# Altium PCB OSA_V100.PcbDoc (part 4 of 5)
Units mm, origin at the board's own origin, x right, y up, seen from the top; angles counter-clockwise.
Board outline 82 x 80 mm, 6 copper layers ([L1] TOP, [L2] GND_1, [L3] SIGNAL, [L4] POWER, [L5] GND_2, [L6] BOTTOM), stack 1.608 mm thick; 297 components, 180 nets, 1222 pads, 1522 vias.
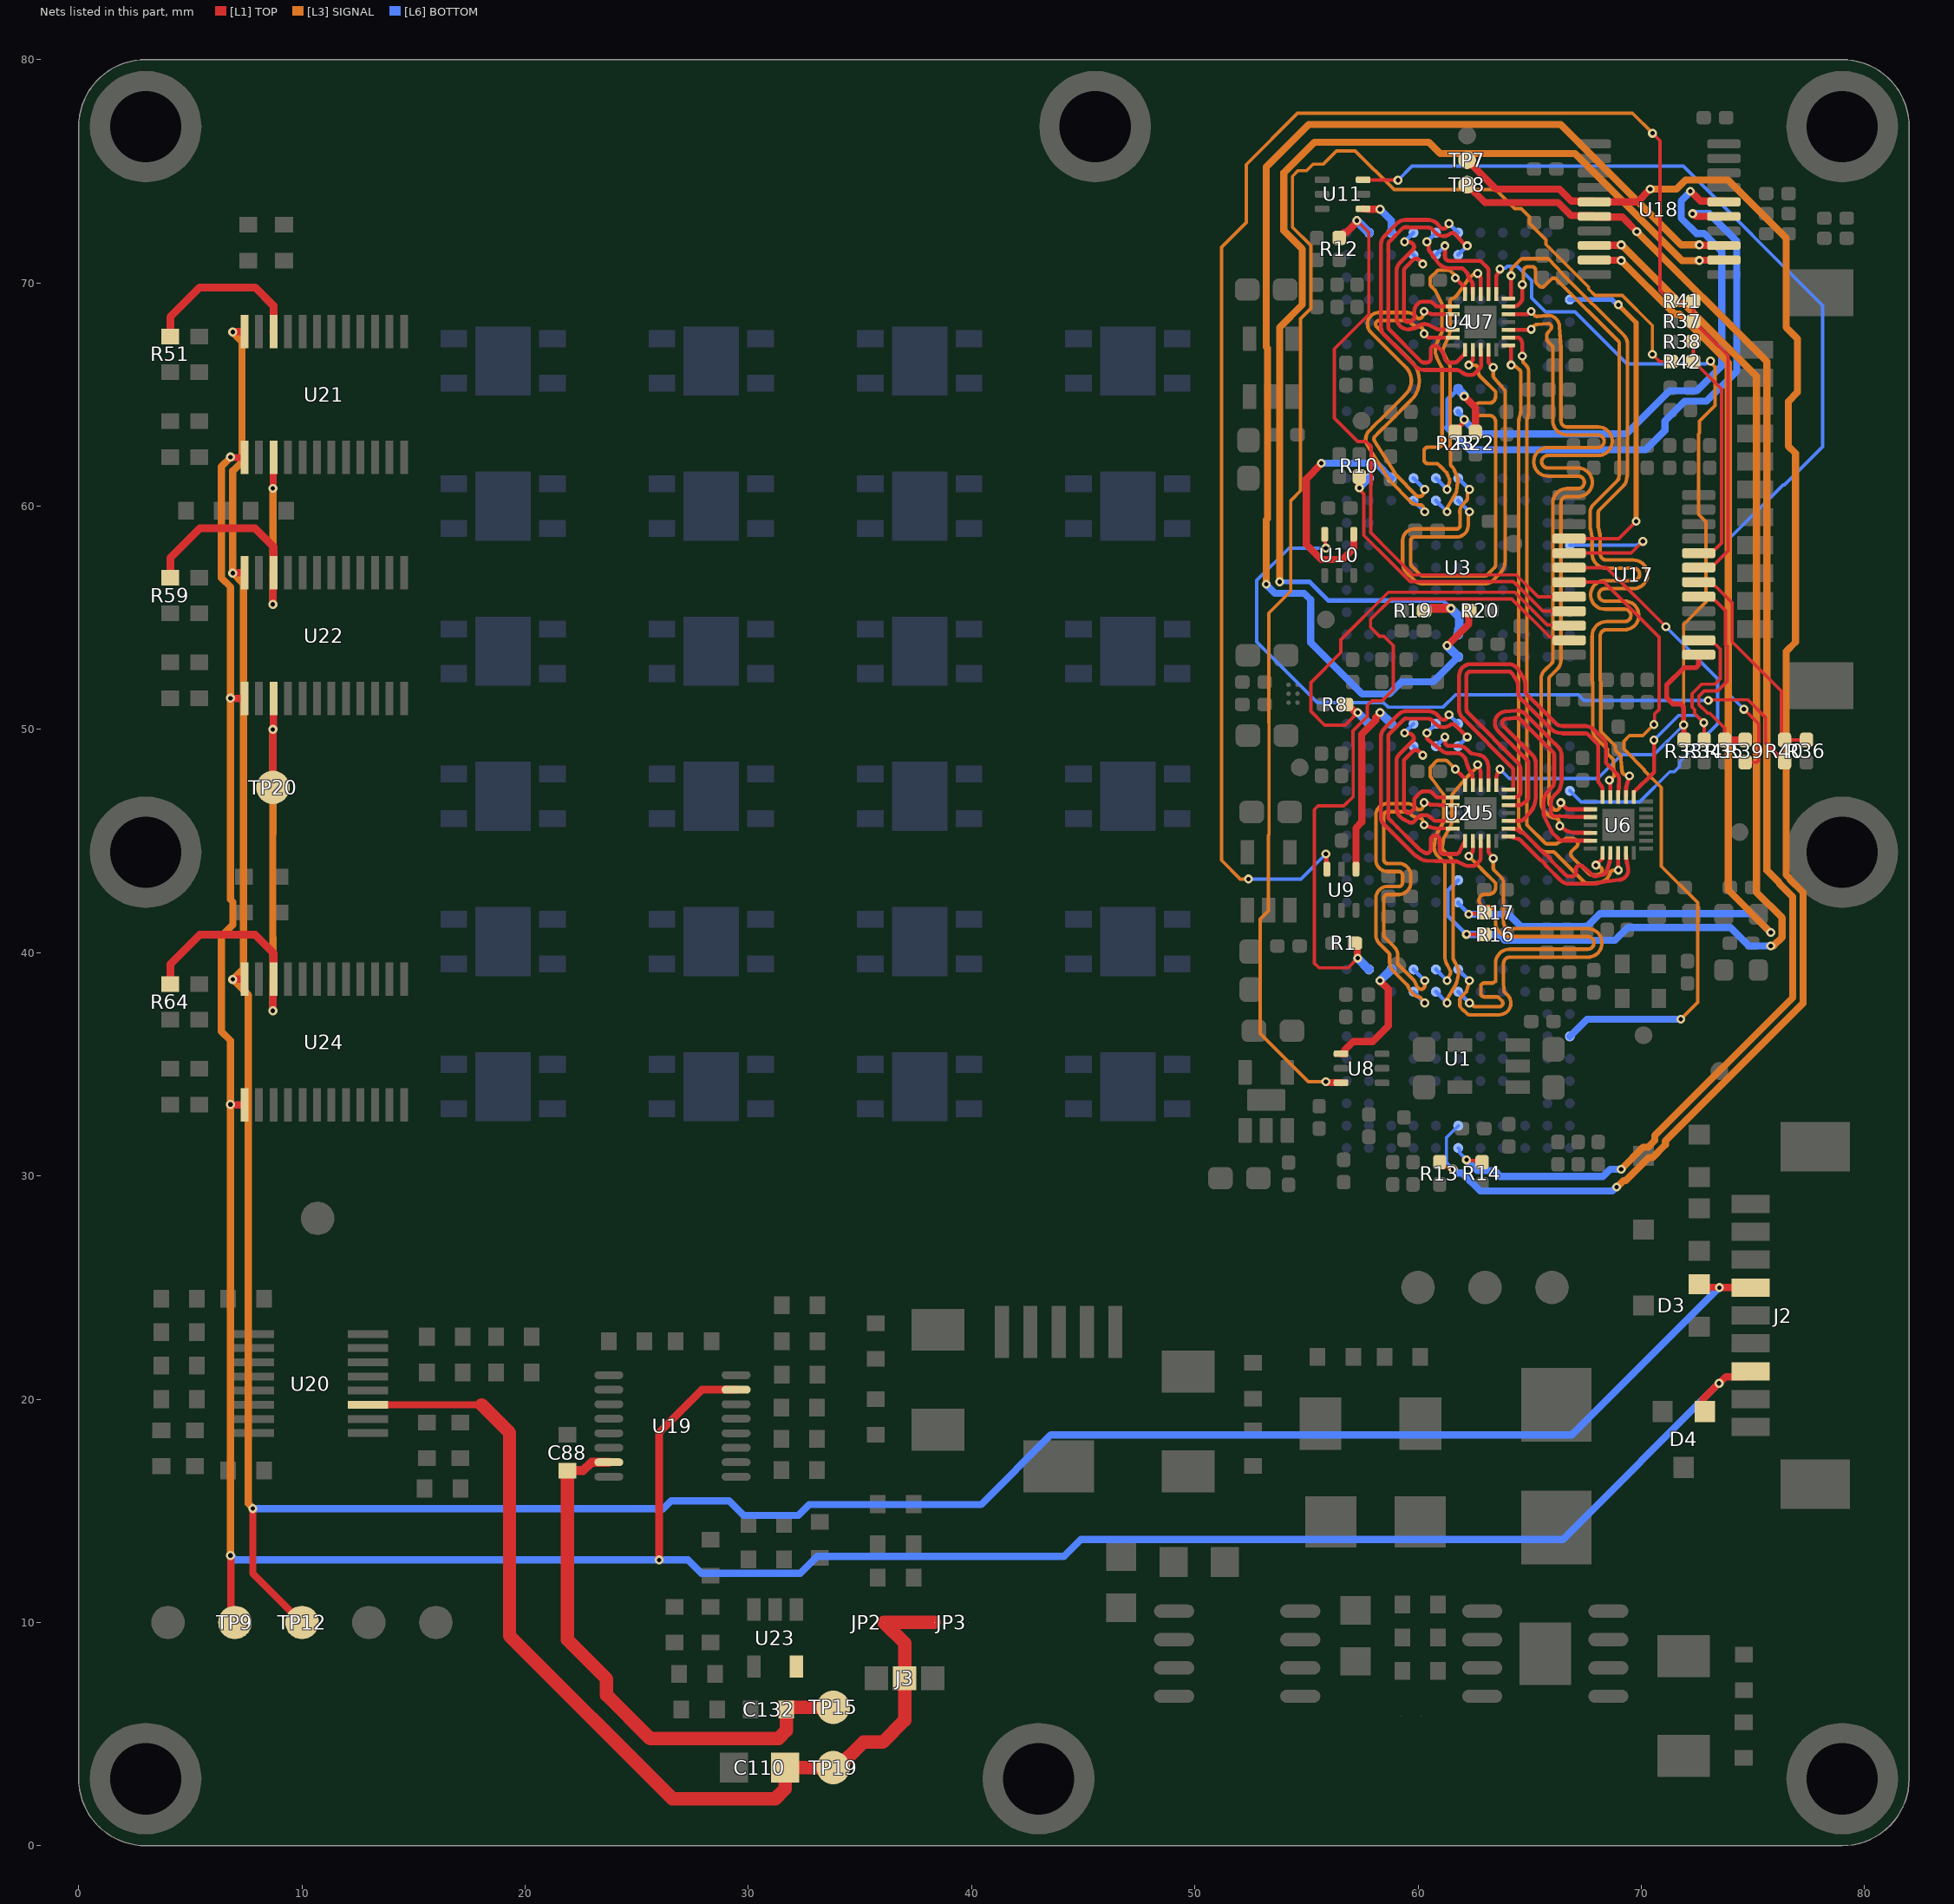
[diagram p8: the nets of this part, all layers, seen from the top]

## Via types
v1: diameter 0.4, hole 0.2, [L1] TOP to [L6] BOTTOM, tented both sides, 1522 vias

## Nets (pads, with @x,y where several pads share a name; then routed paths per layer and width w, separated by ;. In a path a pad name is that pad's centre, name@x,y a point inside that pad or via, vN(x,y) a via of type N, cw(c..) or ccw(c..) an arc to the next point about the centre after c; other vN are vias at no path point) (continued)
SCK_PD: D4.1 J2.3 TP9.1 U19.15 U21.1 U22.1 U24.1 | length 138.7
  [L1] TOP w0.32: v1(6.8,13) 6.815,12.985 6.815,10.185 TP9.1@7,10 ; v1@6.8,33.181 U24.1@7.425,33.181 ; v1@6.8,51.381 U22.1@7.425,51.381 ; v1(6.8,62.2) 6.8,62.181 U21.1@7.425,62.181 ; D4.1@72.85,19.45 72.75,19.55 72.75,19.975 v1(73.487,20.712) 73.509,20.712 73.8,21.004 74.649,21.004 J2.3@74.895,21.25
  [L1] TOP w0.35: v1(26,12.8) 26,18.5 27.925,20.425 U19.15@29.45,20.425
  [L3] SIGNAL w0.32: v1(6.8,13) 6.8,36.068 6.39,36.478 6.39,40.726 6.91,41.246 6.91,42.268 6.8,42.378 6.8,56.379 6.39,56.789 6.39,61.768 6.8,62.178 v1(6.8,62.2)
  [L6] BOTTOM w0.32: v1(6.8,13) 6.822,13 7.022,12.8 v1(26,12.8) 27.3,12.8 27.9,12.2 32.325,12.2 33.087,12.962 44.141,12.962 44.894,13.715 66.49,13.715 v1(73.487,20.712)
  other v1: 6.8,33.2 6.8,51.4
SDO_1: R64.1 TP20.1 U22.3 U24.22 | length 25.6
  [L1] TOP w0.32: v1(8.7,37.4) U24.22@8.7,38.819 ; TP20.1@8.7,47.4 v1(8.7,50) ; v1@8.725,50 U22.3@8.725,51.381
  [L1] TOP w0.35: R64.1@4.1,38.6 4.1,39.478 5.422,40.8 7.9,40.8 8.725,39.975 U24.22@8.725,38.819
  [L3] SIGNAL w0.32: v1(8.7,37.4) 8.7,40.679 8.69,40.689 8.69,45.321 8.7,45.331 v1(8.7,50)
SDO_2: R59.1 U21.3 U22.22 | length 15.6
  [L1] TOP w0.32: v1(8.7,55.6) U22.22@8.7,57.019 ; v1(8.7,60.8) 8.712,60.812 8.712,62.168 U21.3@8.725,62.181
  [L1] TOP w0.35: R59.1@4.1,56.8 4.1,57.678 5.422,59 7.9,59 8.725,58.175 U22.22@8.725,57.019
  [L3] SIGNAL w0.32: v1(8.7,55.6) v1(8.7,60.8)
SDO_3: R51.1 U21.22 | length 7.6
  [L1] TOP w0.32: U21.22@8.7,67.819 U21.22@8.725,67.819
  [L1] TOP w0.35: R51.1@4.1,67.6 4.1,68.478 5.422,69.8 7.9,69.8 8.725,68.975 U21.22@8.725,67.819
SEN0_1_CK_N: U5.7 U6.2 | length 6.7
  [L1] TOP w0.18: U5.7@64.05,45.55 64.371,45.528 ; 64.371,45.528 cw(c64.355,45.289) 64.56,45.413 64.581,45.408 cw(c64.458,44.913) 64.819,45.273 65.64,44.452 ccw(c65.767,44.58) 65.677,44.424 cw(c65.302,43.752) 65.973,44.129 ccw(c66.13,44.217) 66.003,44.089 66.619,43.473 ; 66.62,43.472 ccw(c66.746,43.601) 66.673,43.436 ccw(c66.748,43.6) 66.747,43.42 66.891,43.42 ccw(c66.89,43.6) 67.07,43.6 67.07,43.731 cw(c67.25,43.731) 67.37,43.865 67.677,43.591 ccw(c67.97,43.92) 67.684,43.585 67.824,43.466 ccw(c67.94,43.604) 67.981,43.429 68.311,43.506 ; 68.311,43.507 ccw(c68.269,43.682) 68.441,43.627 68.588,44.093 ccw(c68.359,44.165) 68.596,44.126 ccw(c68.359,44.165) 68.598,44.149 68.619,44.462 cw(c68.799,44.45) U6.2@68.62,44.47
SEN0_1_CK_P: U5.6 U6.4 | length 7.2
  [L1] TOP w0.18: U5.6@64.05,45.2 64.245,45.151 64.502,45.087 cw(c64.458,44.913) 64.585,45.04 65.408,44.218 ccw(c65.767,44.58) 65.516,44.136 cw(c65.302,43.752) 65.685,43.967 ccw(c66.13,44.217) 65.77,43.856 66.386,43.239 ccw(c66.747,43.6) 66.747,43.09 66.89,43.09 ccw(c66.89,43.27) 66.892,43.09 67.942,43.094 ccw(c67.94,43.604) 68.055,43.107 68.057,43.108 68.386,43.185 ; 68.387,43.185 cw(c68.427,43.01) 68.407,43.189 69.019,43.258 ccw(c68.97,43.695) 69.404,43.766 69.344,44.126 cw(c69.581,44.165) 69.342,44.149 U6.4@69.32,44.47
SEN0_1_D0_N: U5.10 U6.20 | length 13.8
  [L1] TOP w0.18: U5.10@64.05,46.6 64.451,46.6 ccw(c64.451,47.08) 64.629,46.634 ccw(c64.561,46.801) 64.664,46.653 64.831,46.768 ccw(c64.728,46.916) 64.855,46.789 64.888,46.821 ccw(c64.76,46.948) 64.94,46.948 64.94,47.11 64.94,48.5 ccw(c64.76,48.5) 64.888,48.627 63.591,49.933 cw(c63.952,50.293) 63.904,50.801 64.378,50.847 64.38,50.847 cw(c64.427,50.339) 64.75,50.734 64.777,50.712 cw(c64.663,50.572) 64.788,50.702 64.789,50.701 65.851,49.639 65.853,49.636 ccw(c65.99,49.754) 65.862,49.627 66.278,49.212 cw(c65.918,48.851) 66.428,48.851 66.428,47.713 ccw(c66.608,47.713) 66.441,47.646 66.387,47.433 cw(c65.892,47.558) 66.258,47.202 cw(c66.021,47.431) 66.254,47.198 66.151,47.095 cw(c65.918,47.328) 66.15,47.094 66.084,47.028 ccw(c66.396,46.717) 65.956,46.717 65.956,46.626 65.956,46.282 ccw(c66.136,46.282) 66.148,46.103 66.321,46.115 cw(c66.351,45.676) 66.384,46.114 ; 66.384,46.114 66.386,46.114 ; 66.387,46.114 66.733,46.091 ccw(c66.767,46.6) 66.757,46.09 U6.20@67.72,46.07
SEN0_1_D0_P: U5.8 U6.23 | length 14.5
  [L1] TOP w0.18: U5.8@64.05,45.9 64.575,45.9 ccw(c64.575,46.08) 64.702,45.952 64.967,46.217 ccw(c64.231,46.95) 65.27,46.946 65.27,48.5 ccw(c64.76,48.5) 65.122,48.86 63.825,50.165 cw(c63.952,50.293) 63.934,50.472 64.41,50.518 ; 64.411,50.518 cw(c64.427,50.339) 64.554,50.466 65.617,49.405 65.629,49.393 66.044,48.979 cw(c65.918,48.851) 66.098,48.851 66.098,47.713 66.098,47.646 66.098,47.636 66.067,47.514 cw(c65.892,47.558) 66.021,47.431 65.918,47.328 ccw(c66.151,47.095) 65.917,47.327 65.851,47.262 ccw(c66.396,46.717) 65.626,46.717 65.626,46.626 65.626,46.282 65.626,46.281 ccw(c66.136,46.282) 65.676,46.061 65.962,45.468 65.987,45.417 ccw(c66.149,45.496) 66.021,45.369 66.317,45.073 ccw(c66.445,45.2) 66.445,45.02 U6.23@67.72,45.02
SEN0_1_D1_N: U5.12 U6.15 | length 17.6
  [L1] TOP w0.18: U5.12@64.05,47.3 64.264,47.3 64.265,47.301 64.265,48.036 64.265,48.173 ccw(c64.085,48.173) 64.212,48.3 62.086,50.426 cw(c62.319,50.66) 62.085,50.427 61.989,50.523 cw(c62.35,50.883) 61.84,50.883 61.84,52.41 cw(c62.35,52.41) 62.35,52.92 62.68,52.92 64.059,52.92 64.06,52.92 cw(c64.057,52.41) 64.464,52.718 64.481,52.696 cw(c64.337,52.587) 64.49,52.683 64.722,52.313 cw(c64.29,52.042) 64.8,52.044 cw(c64.47,52.042) 64.8,52.042 64.8,51.731 ccw(c64.98,51.731) 64.853,51.604 66.232,50.225 ccw(c66.359,50.352) 66.334,50.174 66.495,50.152 ccw(c66.52,50.33) 66.518,50.15 67.495,50.15 cw(c67.495,49.64) 67.856,50.001 67.953,49.904 68.323,49.534 cw(c68.086,49.297) 68.421,49.298 68.421,48.566 ccw(c68.601,48.566) 68.473,48.439 68.57,48.342 68.918,47.995 cw(c68.79,47.868) 68.956,47.937 68.976,47.89 cw(c68.57,47.72) 69.009,47.694 cw(c68.57,47.72) 69.009,47.692 68.992,47.429 ccw(c69.501,47.397) 68.992,47.421 U6.15@68.97,46.97
SEN0_1_D1_P: U5.11 U6.17 | length 16.9
  [L1] TOP w0.18: U5.11@64.05,46.95 64.371,46.972 ccw(c64.355,47.211) 64.595,47.211 64.595,48.036 ccw(c64.265,48.036) 64.595,48.038 64.595,48.173 ccw(c64.085,48.173) 64.445,48.534 62.319,50.66 62.223,50.756 cw(c62.35,50.883) 62.17,50.883 62.17,52.41 cw(c62.35,52.41) 62.35,52.59 62.68,52.59 64.059,52.59 64.06,52.59 cw(c64.057,52.41) 64.21,52.506 64.442,52.138 cw(c64.29,52.042) 64.47,52.042 64.47,51.731 ccw(c64.98,51.731) 64.619,51.371 65.998,49.992 ccw(c66.359,50.352) 66.288,49.847 66.449,49.825 ccw(c66.52,50.33) 66.51,49.82 ccw(c66.518,50.15) 66.518,49.82 67.495,49.82 cw(c67.495,49.64) 67.623,49.767 67.718,49.672 ccw(c67.953,49.904) 67.719,49.671 67.921,49.469 68.018,49.372 cw(c67.89,49.245) 68.07,49.245 68.07,47.714 ccw(c68.25,47.714) 68.107,47.604 68.187,47.501 cw(c68.045,47.391) 68.197,47.487 ccw(c68.57,47.72) 68.229,47.442 cw(c68.089,47.329) 68.269,47.33 68.269,46.989 ccw(c68.449,46.99) U6.17@68.27,46.97
SEN0_CK_N: U1.B6 U5.2 | length 20.7
  [L1] TOP w0.18: v1(62.27,44.32) 62.398,44.448 ccw(c62.27,44.575) 62.45,44.575 U5.2@62.45,45 ; v1(62.302,37.748) v1@62.35,37.748
  [L3] SIGNAL w0.16: v1@62.258,37.794 62.301,37.794 62.515,37.58 63.639,37.58 ccw(c63.639,37.74) 63.753,37.853 63.633,37.973 ; v1@62.274,44.32 62.824,43.771 62.865,43.729 62.865,43.725 63.47,43.12 63.47,42.9 cw(c63.19,42.9) 63.19,42.62 63.008,42.62 ccw(c63.008,42.34) 63.008,42.06 63.19,42.06 cw(c63.19,41.78) 63.47,41.78 63.47,41.7 63.47,41.617 63.47,41.357 ccw(c64.11,41.357) 64.11,40.717 67.603,40.717 cw(c67.603,40.437) 67.603,40.157 64.11,40.157 ccw(c64.11,39.517) 63.47,39.517 63.47,38.702 63.382,38.658 cw(c63.31,38.801) 63.31,38.641 62.97,38.641 ccw(c62.97,38.481) 62.81,38.481 62.81,38.18 ccw(c62.97,38.18) 62.969,38.02 63.329,38.02 63.52,38.019 cw(c63.52,37.859) 63.632,37.974
  [L6] BOTTOM w0.18: U1.B6@61.8,38.25 v1(62.302,37.748)
SEN0_CK_P: U1.A6 U5.4 | length 20.4
  [L1] TOP w0.18: v1(62.302,38.748) v1@62.302,38.75 ; U5.4@63.15,45 cw(c62.971,44.98) 63.151,44.98 63.151,44.573 ccw(c63.331,44.573) 63.187,44.465 v1(63.37,44.22)
  [L3] SIGNAL w0.16: v1(62.302,38.748) 62.181,38.293 cw(c62.026,38.334) 62.139,38.221 61.918,38 ccw(c62.032,37.887) 61.872,37.887 61.872,37.657 ccw(c62.032,37.657) 61.905,37.56 61.96,37.487 ccw(c62.302,37.748) 62.071,37.386 cw(c61.986,37.25) 62.099,37.364 62.195,37.267 ccw(c62.308,37.38) 62.308,37.22 63.072,37.22 63.639,37.22 ccw(c63.639,37.74) 64.008,38.107 63.889,38.226 cw(c64.002,38.339) 63.842,38.334 63.83,38.697 cw(c63.99,38.702) 63.83,38.702 63.83,39.517 cw(c64.11,39.517) 64.11,39.797 67.603,39.797 ccw(c67.603,40.437) 67.603,41.077 64.11,41.077 cw(c64.11,41.357) 63.83,41.357 63.83,41.617 63.83,43.143 ccw(c63.67,43.142) 63.826,43.177 63.821,43.199 ccw(c63.47,43.12) 63.724,43.375 63.417,43.682 cw(c63.53,43.795) 63.37,43.795 v1(63.37,44.22)
  [L6] BOTTOM w0.18: U1.A6@61.8,39.25 v1(62.302,38.748)
SEN0_D0_N: U1.B8 U5.20 | length 16
  [L1] TOP w0.18: v1(60.27,46.72) 60.312,46.678 60.486,46.678 60.544,46.62 60.914,46.62 60.934,46.6 U5.20@61.55,46.6 ; v1(60.302,37.748) v1@60.302,37.78
  [L3] SIGNAL w0.16: 58.261,40.42 58.682,39.999 cw(c58.568,39.886) 58.728,39.886 58.728,39.559 ccw(c59.248,39.561) 58.88,39.194 59.514,38.56 cw(c59.401,38.447) 59.552,38.498 59.554,38.493 ccw(c60.302,38.748) 59.714,38.22 59.755,38.174 ccw(c60.142,38.523) 60.042,38.012 ; 58.261,40.42 cw(c58.63,40.786) 58.11,40.784 58.11,41.795 58.11,42.438 cw(c58.637,42.438) 58.637,42.965 59.142,42.965 ccw(c59.142,43.132) 59.309,43.132 59.309,43.466 ccw(c59.142,43.466) 59.142,43.633 58.637,43.633 cw(c58.637,44.16) 58.11,44.16 58.11,44.42 58.11,46.155 cw(c58.63,46.154) 58.63,46.674 59.507,46.674 cw(c59.507,46.154) 59.922,46.467 59.925,46.464 ccw(c60.053,46.56) 60.052,46.4 ; 60.043,38.012 cw(c60.012,37.855) 60.137,37.955 60.22,37.851 v1(60.302,37.748) v1@60.212,37.845 ; 60.053,46.4 ccw(c60.053,46.56) 60.205,46.512 v1(60.27,46.72)
  [L6] BOTTOM w0.18: U1.B8@59.8,38.25 v1(60.302,37.748)
SEN0_D0_P: U1.A8 U5.23 | length 15
  [L1] TOP w0.18: v1(60.27,45.72) 60.645,45.597 ccw(c60.804,46.081) 60.79,45.571 U5.23@61.55,45.55 ; v1(60.302,38.748) v1@60.302,38.778
  [L3] SIGNAL w0.16: 60.051,46.04 cw(c60.053,46.4) 60.05,46.04 cw(c60.053,46.56) 59.637,46.247 59.635,46.251 ccw(c59.507,46.154) 59.507,46.314 58.63,46.314 ccw(c58.63,46.154) 58.47,46.155 58.47,44.42 58.47,44.16 ccw(c58.637,44.16) 58.637,43.993 59.142,43.993 cw(c59.142,43.466) 59.669,43.466 59.669,43.132 cw(c59.142,43.132) 59.142,42.605 58.637,42.605 ccw(c58.637,42.438) 58.47,42.438 58.47,41.795 58.47,40.785 ccw(c58.63,40.786) 58.516,40.674 58.935,40.255 cw(c58.568,39.886) 59.088,39.886 59.088,39.56 ccw(c59.248,39.561) 59.135,39.448 59.767,38.816 cw(c59.401,38.447) 59.893,38.615 59.895,38.609 ccw(c60.302,38.748) 59.982,38.461 60.023,38.416 ccw(c60.142,38.523) 60.111,38.366 ccw(c60.142,38.523) 60.302,38.523 v1(60.302,38.748) ; 60.053,46.04 cw(c60.053,45.88) 60.205,45.928 v1(60.27,45.72)
  [L6] BOTTOM w0.18: U1.A8@59.8,39.25 v1(60.302,38.748)
SEN0_D1_N: U1.B7 U5.15 | length 13.2
  [L1] TOP w0.18: v1(61.302,37.748) v1@61.302,37.755 ; v1(62.67,48.42) 62.757,48.237 cw(c62.356,48.047) 62.8,48.047 U5.15@62.8,47.5
  [L3] SIGNAL w0.16: v1@61.209,37.845 61.332,37.968 ; 61.333,37.969 ccw(c61.219,38.081) 61.356,37.999 61.671,38.529 ; 61.671,38.529 ccw(c61.302,38.748) 61.72,38.648 61.805,39.002 ccw(c61.3,39.124) 61.76,39.365 ; 61.76,39.366 61.63,39.611 61.588,39.69 cw(c61.73,39.765) 61.57,39.765 61.57,43.941 ccw(c61.05,43.941) 61.418,44.309 61.128,44.599 cw(c61.241,44.712) 61.083,44.738 61.137,45.058 cw(c61.561,44.989) 61.187,45.202 61.401,45.577 61.45,45.662 ccw(c60.997,45.918) 61.517,45.918 61.517,47.01 cw(c61.677,47.01) 61.554,47.112 62.087,47.754 62.097,47.767 cw(c62.22,47.664) 62.107,47.777 62.623,48.293 ccw(c62.51,48.407) 62.67,48.407 v1(62.67,48.42)
  [L6] BOTTOM w0.18: U1.B7@60.8,38.25 v1(61.302,37.748)
SEN0_D1_P: U1.A7 U5.17 | length 13.1
  [L1] TOP w0.18: v1(61.302,38.748) v1@61.302,38.755 ; v1(61.67,48.22) 62.048,47.842 cw(c61.92,47.715) 62.1,47.715 U5.17@62.1,47.5
  [L3] SIGNAL w0.16: v1(61.302,38.748) 61.445,39.057 ccw(c61.3,39.124) 61.442,39.197 ; 61.312,39.442 61.442,39.198 ; 61.312,39.443 61.27,39.522 cw(c61.73,39.765) 61.21,39.765 61.21,43.941 ccw(c61.05,43.941) 61.163,44.054 60.873,44.344 cw(c61.241,44.712) 60.728,44.798 60.782,45.118 cw(c61.137,45.058) 60.782,45.12 cw(c61.561,44.989) 60.875,45.38 61.089,45.756 61.136,45.839 ccw(c60.997,45.918) 61.157,45.918 61.157,47.01 ccw(c60.997,47.01) 61.126,47.105 60.64,47.767 60.567,47.867 cw(c60.696,47.961) 60.536,47.961 60.536,48.22 cw(c60.696,48.22) 60.583,48.333 60.823,48.573 cw(c60.936,48.46) 60.936,48.62 61.204,48.62 cw(c61.204,48.46) 61.317,48.573 v1(61.67,48.22)
  [L6] BOTTOM w0.18: U1.A7@60.8,39.25 v1(61.302,38.748)
SEN1_CK_N: U2.B6 U5.1 | length 14.2
  [L1] TOP w0.18: 60.97,45.061 60.97,44.6 ccw(c61.15,44.6) 61.15,44.42 61.695,44.42 ccw(c61.695,44.6) 61.856,44.518 U5.1@62.1,45 ; 60.97,45.061 ccw(c60.79,45.06) 60.791,45.24 60.751,45.24 ccw(c60.75,45.06) 60.57,45.061 60.568,44.634 cw(c60.388,44.634) 60.292,44.482 60.077,44.619 cw(c60.173,44.771) 60.047,44.643 59.719,44.971 59.067,45.623 58.67,46.02 58.67,49.679 cw(c58.85,49.679) 58.723,49.806 59.354,50.437 cw(c59.481,50.31) 59.481,50.49 cw(c59.481,50.31) 59.485,50.49 60.5,50.47 cw(c60.496,50.29) 60.631,50.409 60.749,50.273 ccw(c61.134,50.608) 61.439,50.198 ; 61.44,50.199 ccw(c61.134,50.608) 61.441,50.2 cw(c61.549,50.056) 61.676,50.184 v1(62.205,49.66)
  [L6] BOTTOM w0.18: U2.B6@61.8,49.252 62.205,49.657 v1(62.205,49.66)
SEN1_CK_P: U2.A6 U5.3 | length 14.3
  [L1] TOP w0.18: 60.491,50.82 59.481,50.82 ccw(c59.481,50.31) 59.121,50.671 58.489,50.039 ccw(c58.85,49.679) 58.34,49.679 58.34,49.542 58.34,46.02 ccw(c58.67,46.02) 58.436,45.787 59.485,44.738 59.814,44.41 ccw(c60.173,44.771) 59.9,44.341 60.116,44.203 ccw(c60.388,44.634) 60.366,44.125 61.127,44.091 ccw(c61.15,44.6) 61.15,44.09 61.695,44.09 cw(c61.695,43.91) 61.774,44.072 62.078,43.924 ccw(c62.27,44.32) 62.27,43.88 62.455,43.88 ccw(c62.455,44.06) 62.582,43.932 62.748,44.098 ccw(c62.62,44.225) 62.8,44.225 U5.3@62.8,45 ; 60.491,50.82 cw(c60.491,50.64) 60.549,50.81 60.66,50.773 cw(c60.496,50.29) 60.88,50.626 60.881,50.625 60.998,50.49 ccw(c61.134,50.608) 61.242,50.464 ccw(c61.134,50.608) 61.281,50.503 v1(61.39,50.655)
  [L6] BOTTOM w0.18: v1(61.39,50.655) 61.393,50.655 U2.A6@61.8,50.25
SEN1_D0_N: U2.B8 U5.19 | length 6.9
  [L1] TOP w0.18: 59.39,46.409 59.372,46.522 cw(c59.55,46.55) 59.37,46.549 59.37,48.62 59.776,49.026 cw(c59.902,48.898) 60.029,49.026 v1(60.21,48.845) ; 59.39,46.409 ccw(c59.568,46.438) 59.694,46.309 59.83,46.443 59.83,46.824 cw(c60.02,46.823) 59.886,46.958 60.095,47.168 cw(c60.222,47.04) 60.222,47.22 60.495,47.22 cw(c60.495,47.04) 60.622,47.168 60.788,47.002 ccw(c60.915,47.13) 60.915,46.95 U5.19@61.55,46.95
  [L6] BOTTOM w0.18: U2.B8@59.805,49.25 v1(60.21,48.845)
SEN1_D0_P: U2.A8 U5.22 | length 7.6
  [L1] TOP w0.18: v1(59.395,49.84) 59.62,49.814 cw(c59.6,49.635) 59.727,49.763 59.76,49.73 cw(c59.632,49.603) 59.759,49.476 59.136,48.853 ccw(c59.37,48.62) 59.04,48.62 59.04,46.548 ccw(c59.55,46.55) 59.046,46.47 59.064,46.358 ccw(c59.568,46.438) 59.333,45.985 59.613,45.84 ccw(c59.695,46) 59.695,45.82 ccw(c59.695,46) 59.822,45.872 59.873,45.923 ccw(c59.745,46.049) 59.897,45.953 cw(c60.27,45.72) 60.009,46.074 60.078,46.125 cw(c60.185,45.98) 60.185,46.16 60.355,46.16 cw(c60.355,45.98) 60.462,46.125 60.531,46.074 cw(c60.27,45.72) 60.554,46.056 60.689,45.943 ccw(c60.804,46.081) 60.804,45.901 U5.22@61.55,45.9
  [L6] BOTTOM w0.18: v1(59.395,49.84) 59.395,49.843 U2.A8@59.8,50.248
SEN1_D1_N: U2.B7 U5.14 | length 4.1
  [L1] TOP w0.18: v1(61.205,49.66) 61.21,49.437 ccw(c61.389,49.44) 61.389,49.26 61.818,49.26 cw(c61.818,48.75) 62.179,49.111 62.317,48.973 ccw(c62.444,49.1) 62.407,48.924 62.76,48.851 cw(c62.67,48.42) 62.98,48.733 62.983,48.73 62.984,48.729 cw(c62.582,48.327) 63.15,48.327 U5.14@63.15,47.5
  [L6] BOTTOM w0.18: U2.B7@60.8,49.252 61.205,49.657 v1(61.205,49.66)
SEN1_D1_P: U2.A7 U5.16 | length 4.1
  [L1] TOP w0.18: v1@60.393,49.838 60.393,49.672 ccw(c60.573,49.672) 60.445,49.545 60.446,49.544 ccw(c60.573,49.672) 60.46,49.532 61.071,49.042 ccw(c61.389,49.44) 61.387,48.93 61.389,48.93 61.818,48.93 cw(c61.818,48.75) 61.946,48.878 62.084,48.739 ; 62.085,48.739 cw(c61.956,48.613) 62.127,48.669 62.245,48.303 62.251,48.284 ccw(c62.67,48.42) 62.366,48.102 cw(c62.24,47.973) 62.41,48.034 cw(c61.775,47.808) 62.449,47.808 U5.16@62.45,47.5
  [L6] BOTTOM w0.18: v1(60.395,49.84) 60.395,49.843 U2.A7@60.8,50.248
SEN2_3_CK_N: U6.1 U7.7 | length 28.8
  [L1] TOP w0.18: U7.7@64.05,67.55 64.454,67.55 cw(c64.454,67.37) 64.608,67.462 cw(c64.226,67.236) 64.67,67.236 v1(64.67,66.72) ; v1(67.97,43.92) 68.218,44.168 ccw(c68.09,44.295) 68.27,44.295 U6.1@68.27,44.47
  [L3] SIGNAL w0.16: v1(64.67,66.72) 64.695,66.504 ccw(c64.854,66.522) 64.756,66.396 64.759,66.393 cw(c64.44,65.982) 64.96,65.982 64.96,64.233 cw(c64.44,64.233) 64.945,64.108 64.881,63.852 ccw(c65.298,63.748) 64.868,63.748 64.868,45.8 ccw(c65.028,45.8) 64.915,45.688 65.682,44.921 ccw(c65.794,45.035) 65.794,44.875 66.151,44.875 ccw(c66.151,45.035) 66.229,44.894 66.601,45.1 cw(c66.678,44.96) 66.678,45.12 66.909,45.12 cw(c66.909,44.96) 67.022,45.073 67.11,44.986 cw(c66.996,44.873) 67.11,44.76 66.883,44.533 ccw(c66.996,44.42) 66.883,44.307 67.663,43.527 ccw(c67.776,43.64) 67.784,43.48 67.991,43.491 ccw(c67.97,43.92) 68.165,43.537 ccw(c68.093,43.679) 68.164,43.823 v1(67.97,43.92)
SEN2_3_CK_P: U6.3 U7.6 | length 28.4
  [L1] TOP w0.18: U7.6@64.05,67.2 64.169,67.2 64.17,67.199 v1(64.17,66.32) ; v1(68.97,43.695) U6.3@68.97,44.47
  [L3] SIGNAL w0.16: v1(64.17,66.32) 64.375,66.248 cw(c64.323,66.097) 64.448,66.197 ccw(c64.854,66.522) 64.535,66.112 64.538,66.109 cw(c64.44,65.982) 64.6,65.982 64.6,64.233 cw(c64.44,64.233) 64.595,64.195 64.532,63.939 ccw(c65.298,63.748) 64.508,63.748 64.508,45.8 ccw(c65.028,45.8) 64.659,45.434 65.428,44.666 ccw(c65.794,45.035) 65.794,44.515 66.026,44.515 cw(c66.026,44.355) 66.139,44.468 67.44,43.167 ccw(c67.553,43.28) 67.552,43.12 67.703,43.12 67.777,43.12 ccw(c67.776,43.64) 67.802,43.121 68.009,43.131 ccw(c67.97,43.92) 68.327,43.215 ccw(c68.093,43.679) 68.6,43.565 cw(c68.756,43.53) 68.753,43.69 v1(68.97,43.695)
SEN2_3_D0_N: U6.19 U7.10 | length 34.1
  [L1] TOP w0.18: U7.10@64.05,68.6 64.875,68.6 ccw(c64.875,68.78) 65.002,68.652 v1(65.07,68.72) ; v1(66.396,46.717) 66.64,46.472 ccw(c66.767,46.6) 66.767,46.42 U6.19@67.72,46.42
  [L3] SIGNAL w0.16: v1(65.07,68.72) 65.212,68.555 ccw(c65.333,68.66) 65.348,68.501 65.771,68.539 cw(c65.818,68.021) 66.337,68.056 66.399,67.118 cw(c65.88,67.084) 66.4,67.085 66.4,65.927 66.4,63.827 ccw(c66.68,63.827) 66.68,63.547 68.06,63.547 cw(c68.06,62.907) 68.06,62.267 65.818,62.267 ccw(c65.818,61.987) 65.818,61.707 67.168,61.707 cw(c67.168,61.067) 67.168,60.427 66.68,60.427 ccw(c66.68,60.147) 66.4,60.147 66.4,58.897 66.4,53.081 cw(c65.88,53.081) 66.249,52.714 65.918,52.383 ccw(c66.032,52.271) 65.872,52.271 65.872,46.703 ccw(c66.032,46.703) 65.918,46.591 66.074,46.433 ccw(c66.188,46.545) 66.343,46.506 v1(66.396,46.717)
SEN2_3_D0_P: U6.22 U7.8 | length 34.3
  [L1] TOP w0.18: U7.8@64.05,67.9 64.051,67.901 65.051,67.901 v1(65.07,67.92) v1@65.112,67.962 ; v1(66.351,45.676) ccw(c67.089,46.414) 67.089,45.37 67.09,45.37 U6.22@67.72,45.37
  [L3] SIGNAL w0.16: v1(65.07,67.92) 65.212,68.085 cw(c65.333,67.98) 65.333,68.14 ccw(c65.333,68.66) 65.38,68.142 65.804,68.181 cw(c65.818,68.021) 65.942,67.921 65.828,67.779 cw(c65.704,67.88) 65.817,67.767 ccw(c65.93,67.654) 65.77,67.654 65.77,67.493 ccw(c65.93,67.493) 65.815,67.381 65.995,67.195 cw(c65.88,67.084) 66.04,67.084 66.04,65.927 66.04,63.827 ccw(c66.68,63.827) 66.68,63.187 68.06,63.187 cw(c68.06,62.907) 68.06,62.627 65.818,62.627 ccw(c65.818,61.987) 65.818,61.347 67.168,61.347 cw(c67.168,61.067) 67.168,60.787 66.68,60.787 ccw(c66.68,60.147) 66.04,60.147 66.04,58.897 66.04,53.081 cw(c65.88,53.081) 65.994,52.968 65.663,52.637 ccw(c66.032,52.271) 65.512,52.271 65.512,46.703 ccw(c66.032,46.703) 65.661,46.339 65.817,46.18 ccw(c66.188,46.545) 66.162,46.025 ccw(c66.181,46.385) 66.164,46.025 ; 66.165,46.025 cw(c66.158,45.865) 66.316,45.891 v1(66.351,45.676)
SEN2_3_D1_N: U6.14 U7.12 | length 36.2
  [L1] TOP w0.18: U7.12@64.05,69.3 64.169,69.3 64.17,69.301 v1(64.17,70.32) ; U6.14@69.32,46.97 ccw(c69.141,46.99) 69.321,46.99 69.321,47.397 cw(c69.501,47.397) 69.329,47.448 v1(69.47,47.92)
  [L3] SIGNAL w0.16: v1(64.17,70.32) ccw(c64.011,70.339) 64.171,70.339 64.171,70.555 cw(c64.331,70.555) 64.218,70.668 64.471,70.921 64.587,71.037 cw(c64.7,70.923) 64.7,71.083 65.77,71.083 cw(c65.77,70.923) 65.882,71.037 65.884,71.035 cw(c65.77,70.923) 65.888,71.031 66.445,70.426 ccw(c66.563,70.534) 66.449,70.421 69.225,67.646 cw(c68.857,67.278) 69.377,67.278 69.377,61.448 cw(c68.857,61.448) 69.372,61.375 69.348,61.202 cw(c68.833,61.274) 69.202,60.908 68.119,59.825 ccw(c68.232,59.711) 68.072,59.711 68.072,59.088 ccw(c68.232,59.088) 68.075,59.055 68.149,58.705 cw(c67.64,58.596) 68.16,58.596 68.16,58.125 68.16,57.865 ccw(c68.44,57.865) 68.44,57.585 69.644,57.585 cw(c69.644,56.945) 69.644,56.305 68.372,56.305 ccw(c68.372,56.025) 68.372,55.745 69.253,55.745 cw(c69.253,55.105) 69.253,54.465 68.44,54.465 ccw(c68.44,54.185) 68.16,54.185 68.16,52.226 cw(c67.666,52.063) 68.186,52.063 68.186,49.979 ccw(c68.346,49.979) 68.232,49.867 68.337,49.762 cw(c68.084,49.506) 68.338,49.761 68.837,49.262 68.837,49.071 69.081,48.826 69.097,48.637 69.14,48.116 ccw(c69.3,48.129) 69.143,48.095 ; 69.143,48.095 ccw(c69.3,48.129) 69.259,47.974 v1(69.47,47.92)